# Altium PCB main - Copy.PcbDoc (part 11 of 14) (continued)
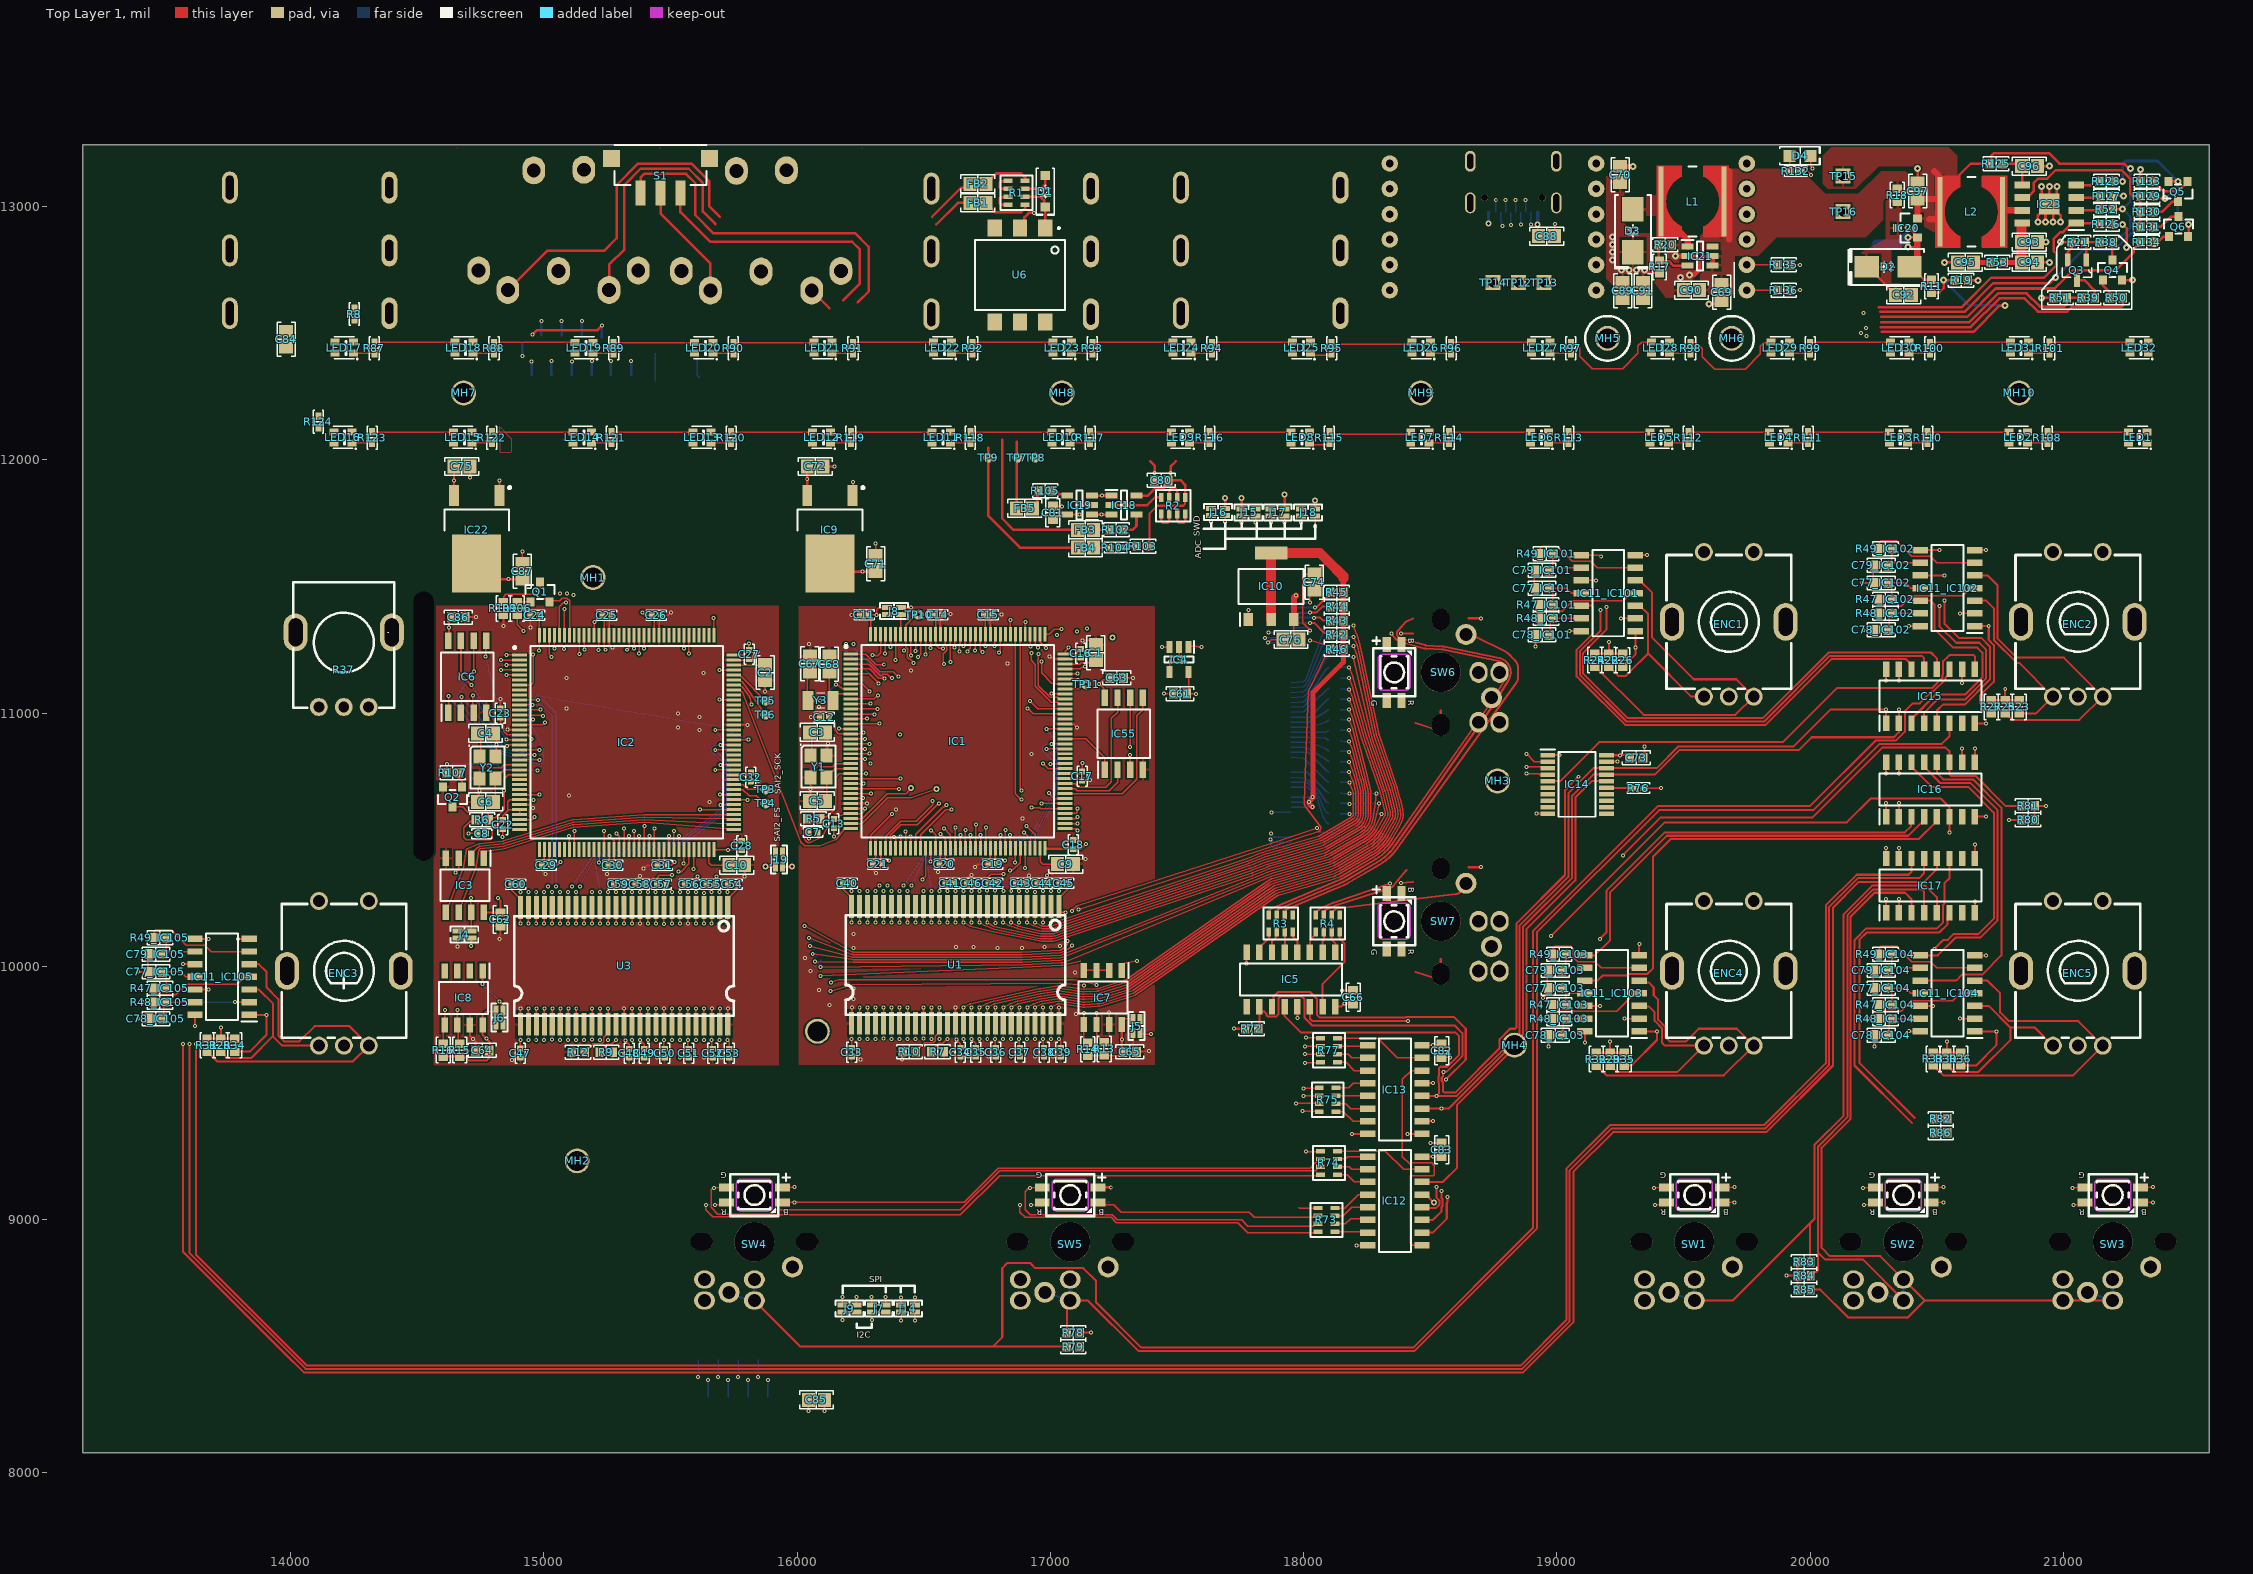
[diagram p0: Top Layer 1 view]
## Nets (pads, with @x,y where several pads share a name; then routed paths per layer and width w, separated by ;. In a path a pad name is that pad's centre, name@x,y a point inside that pad or via, vN(x,y) a via of type N, cw(c..) or ccw(c..) an arc to the next point about the centre after c; other vN are vias at no path point) (continued)
NetIC2_81: IC2.81 TP4.1 | length 147.8
  Top Layer 1 w5: IC2.81@15749.52,10697.62 15786.2,10697.62 15810.57,10673.24 15839.11,10673.24 15868.54,10643.82 TP4.1@15875,10643.82
NetIC2_82: IC2.82 TP3.1 | length 133.1
  Top Layer 1 w5: IC2.82@15749.52,10717.31 15786.51,10717.31 15805,10698.82 TP3.1@15875,10698.82
NetIC2_103: IC2.103 TP6.1 | length 193.5
  Top Layer 1 w5: IC2.103@15749.52,11130.69 15776.05,11127.29 15782.5,11123.29 cw(c15778.55,11116.91) 15784.67,11121.25 TP6.1@15875,10993.82
NetIC2_104: IC2.104 TP5.1 | length 166.3
  Top Layer 1 w5: IC2.104@15749.52,11150.38 15776.05,11146.97 15782.5,11142.97 cw(c15778.55,11136.6) 15783.91,11141.85 TP5.1@15875,11048.82
NetIC2_138: IC2.138 Q1.2 R109.1 | length 446.1
  Top Layer 1 w5: R109.1@14840,11438.82 14841.3,11440.12 14841.3,11460.12 14850,11468.82 14966.08,11468.82 14983.64,11451.26 15010.59,11451.26 Q1.2@15022.4,11439.45 15026.77,11443.82 15062.02,11443.82 15072.57,11454.36 15091.17,11454.36 15102.43,11443.1 15102.43,11309.43 IC2.138@15100.38,11307.38
NetIC3_3: IC3.3 IC3.7 J4.1 J4.3 | length 374.6
  Top Layer 1 w5: v1(14650.33,10371.26) 14663.33,10384.26 IC3.3@14663.33,10427.03 ; J4.3@14658.33,10139.04 J4.1@14713.45,10139.04 14713.33,10139.16 IC3.7@14713.33,10213.49 14712.33,10214.49 v1(14712.33,10269.26)
  Bottom 6+gnd w5: v1(14650.33,10371.26) 14711.33,10310.26 14711.33,10270.26 v1(14712.33,10269.26)
NetIC5_1: IC5.1 R4.7 | length 85
  Top Layer 1 w8: R4.7@18110.75,10135.2 18110.75,10105.48 18125,10091.23 IC5.1@18125,10056.1
NetIC5_2: IC5.2 R4.6 | length 84.8
  Top Layer 1 w8: IC5.2@18075,10056.1 18075,10099.55 18080,10104.55 R4.6@18080,10138.82
NetIC5_3: IC5.3 R4.5 | length 79.7
  Top Layer 1 w8: IC5.3@18025,10056.1 18025,10103.58 R4.5@18047.76,10126.34
NetIC5_4: IC5.4 R3.8 | length 86.6
  Top Layer 1 w8: R3.8@17957.24,10135.35 17957.24,10116.37 17975,10098.61 IC5.4@17975,10056.1
NetIC5_5: IC5.5 R3.7 | length 79.6
  Top Layer 1 w8: IC5.5@17925,10056.1 17925.75,10056.85 R3.7@17925.75,10135.35
NetIC5_6: IC5.6 R3.6 | length 71.8
  Top Layer 1 w8: IC5.6@17875,10056.1 17875,10098.61 17890.02,10113.64 R3.6@17890.02,10121.64
NetIC5_7: IC5.7 R3.5 | length 96
  Top Layer 1 w8: IC5.7@17825,10056.1 17825,10073.82 17862.76,10111.57 R3.5@17862.76,10136.5
NetIC5_14: IC5.14 IC13.9 | length 942.1
  Top Layer 1 w8: IC5.14@18025,9841.54 18025,9793.82 18035,9783.82 18411.88,9783.82 v1(18412.21,9783.49) ; v1(18410,9338.82) IC13.9@18467.28,9338.82
  Layer 3 w8: v1(18410,9338.82) 18411.08,9339.9 18411.08,9782.36 v1(18412.21,9783.49)
NetIC5_15: IC5.15 R4.8 | length 337
  Top Layer 1 w8: IC5.15@18075,9841.54 18075,9930.76 18160.89,10016.65 18160.89,10091.22 18142.24,10109.86 R4.8@18142.24,10135.2
NetIC7_1: IC7.1 J5.2 J5.4 | length 486.4
  Top Layer 1 w5: IC7.1@17282.09,9983.98 17292.38,10011.5 v1(17342.09,10022.2) ; J5.4@17354.65,9737.09 J5.2@17354.65,9792.2 ; J5.4@17360.87,9737.2 17365.87,9732.2 v1(17397.09,9732.2)
  Layer 3 w5: v1(17342.09,10022.2) 17342.09,9787.2 v1(17397.09,9732.2)
NetIC7_2: IC7.2 IC7.3 IC7.4 | length 100
  Top Layer 1 w5: IC7.4@17132.09,9983.98 IC7.2@17232.09,9983.98
NetIC8_1: IC8.1 J6.2 J6.4 | length 245.9
  Top Layer 1 w8: v1(14757.33,9931.26) 14757.33,9981.03 IC8.1@14758.33,9982.03 ; v1(14825.33,9861.26) 14838.33,9848.26 J6.2@14838.33,9825.26 J6.4@14838.33,9770.14
  Bottom 6+gnd w8: v1(14757.33,9931.26) 14757.33,9930.26 14825.33,9862.26 v1(14825.33,9861.26)
NetIC12_1: IC12.1 R74.7 | length 123.1
  Top Layer 1 w5: R74.7@18133.46,9239.57 18165.75,9239.57 18175,9248.82 IC12.1@18252.72,9248.82
NetIC12_2: IC12.2 R74.6 | length 123.1
  Top Layer 1 w5: R74.6@18133.46,9208.07 18180.75,9208.07 18190,9198.82 IC12.2@18252.72,9198.82
NetIC12_3: IC12.3 R74.5 | length 130.7
  Top Layer 1 w5: R74.5@18133.46,9176.57 18172.24,9176.57 18200,9148.82 IC12.3@18252.72,9148.82
NetIC12_4: IC12.4 R73.8 | length 151.1
  Top Layer 1 w5: R73.8@18123.46,9046.06 18162.24,9046.06 18215,9098.82 IC12.4@18252.72,9098.82
NetIC12_5: IC12.5 R73.7 | length 143.4
  Top Layer 1 w5: R73.7@18123.46,9014.57 18155.75,9014.57 18190,9048.82 IC12.5@18252.72,9048.82
NetIC12_6: IC12.6 R73.6 | length 139.9
  Top Layer 1 w5: R73.6@18123.46,8983.07 18164.25,8983.07 18185,9003.82 18247.72,9003.82 IC12.6@18252.72,8998.82
NetIC12_7: IC12.7 R73.5 | length 130.4
  Top Layer 1 w5: R73.5@18123.46,8951.57 18249.96,8951.57 IC12.7@18252.72,8948.82
NetIC12_9: IC12.9 IC13.14 | length 986.7
  Top Layer 1 w5: IC12.9@18467.28,8898.82 18430,8898.82 18420,8908.82 18420,9170.89 18422.93,9173.82 18512.07,9173.82 18515,9176.75 18515,9213.82 18505,9223.82 18425,9223.82 18422.07,9220.89 18417.93,9220.89 18390,9248.82 18390,9553.82 18425,9588.82 IC13.14@18467.28,9588.82
NetIC12_15: IC12.15 R74.8 | length 363.7
  Top Layer 1 w5: R74.8@18133.46,9271.06 18322.76,9271.06 18395,9198.82 IC12.15@18467.28,9198.82
NetIC13_1: IC13.1 R77.7 | length 121
  Top Layer 1 w5: R77.7@18133.46,9684.57 18248.46,9684.57 IC13.1@18252.72,9688.82
NetIC13_2: IC13.2 R77.6 | length 125.2
  Top Layer 1 w5: R77.6@18133.46,9653.07 18175.75,9653.07 18190,9638.82 IC13.2@18252.72,9638.82
NetIC13_3: IC13.3 R77.5 | length 132.8
  Top Layer 1 w5: R77.5@18133.46,9621.57 18167.24,9621.57 18200,9588.82 IC13.3@18252.72,9588.82
NetIC13_4: IC13.4 R75.8 | length 131.6
  Top Layer 1 w5: R75.8@18128.46,9521.06 18177.24,9521.06 18195,9538.82 IC13.4@18252.72,9538.82
NetIC13_5: IC13.5 R75.7 | length 124.6
  Top Layer 1 w5: R75.7@18128.46,9489.57 18251.97,9489.57 IC13.5@18252.72,9488.82
NetIC13_6: IC13.6 R75.6 | length 132.2
  Top Layer 1 w5: R75.6@18128.46,9458.07 18165.75,9458.07 18185,9438.82 IC13.6@18252.72,9438.82
NetIC13_7: IC13.7 R75.5 | length 139.9
  Top Layer 1 w5: R75.5@18128.46,9426.57 18157.24,9426.57 18195,9388.82 IC13.7@18252.72,9388.82
NetIC13_15: IC13.15 R77.8 | length 365.8
  Top Layer 1 w5: R77.8@18133.46,9716.06 18292.76,9716.06 18370,9638.82 IC13.15@18467.28,9638.82
NetIC14_15: IC14.15 R76.2 | length 105.2
  Top Layer 1 w8: IC14.15@19195.67,10706.02 19196.77,10704.92 19298.9,10704.92 R76.2@19300,10703.82
NetIC15_10: IC15.10 IC16.9 | length 388.4
  Top Layer 1 w8: v1(20600,11119.25) IC15.10@20600,11173.82 ; IC16.9@20650,10806.1 v1(20650,10860.67)
  Layer 3 w8: v1(20600,11119.25) 20650,11069.25 v1(20650,10860.67)
NetIC16_10: IC16.10 IC17.9 | length 509.8
  Top Layer 1 w8: IC16.10@20600,10806.1 v1(20600,10860.67) ; IC17.9@20650,10426.1 v1(20650,10480.67)
  Layer 3 w8: v1(20600,10860.67) 20650,10810.67 v1(20650,10480.67)
NetIC18_4: IC18.4 R102.1 | length 105
  Top Layer 1 w10: R102.1@17286.18,11723.82 17325,11723.82 17340,11738.82 IC18.4@17340,11783.82
NetIC19_4: IC19.4 R105.1 | length 69.9
  Top Layer 1 w10: R105.1@17005,11878.62 17007.07,11876.55 17022.63,11876.55 17035.24,11863.94 17061.26,11863.94 IC19.4@17066.57,11858.62
NetIC21_3: IC21.3 R17.1 R20.2 | length 182.3
  Top Layer 1 w10: R20.2@19402.28,12848.61 19402.28,12789.93 19407.8,12784.4 19441.75,12784.4 19459.15,12767 IC21.3@19516.38,12767
NetIC23_2: IC23.2 R52.1 | length 95.3
  Top Layer 1 w10: IC23.2@21050.79,12985 21139.02,12985 R52.1@21144.02,12990
NetIC23_3: IC23.3 R127.1 | length 95.3
  Top Layer 1 w10: IC23.3@21050.79,13035 21139.02,13035 R127.1@21144.02,13040
NetIC23_4: IC23.4 R128.2 | length 99.4
  Top Layer 1 w10: IC23.4@21050.79,13085 21109.02,13085 21124.02,13100 R128.2@21144.02,13100
NetIC23_6: IC23.6 R129.2 R130.2 R131.2 | length 729.6
  Top Layer 1 w10: IC23.6@20837.24,13035 20846.02,13043.78 20866.01,13043.78 20882.26,13060.03 20882.26,13093.25 20899.02,13110 20935.07,13110 20969.44,13144.38 21228.94,13144.38 21252.09,13121.22 21252.22,13121.22 21262.8,13110.65 21262.8,13051.22 21274.02,13040 R129.2@21304.02,13040 R130.2@21304.02,12980 R131.2@21304.02,12920
NetIC23_7: IC23.7 L2.1 | length 75.3
  Top Layer 1 w25: L2.1@20764.02,12990 20769.02,12985 IC23.7@20837.24,12985
NetJ15_2: J15.2 J15.4 PJ2.4 | length 553.7
  Top Layer 1 w5: J15.2@17755,11806.38 J15.4@17810.12,11806.38
  Top Layer 1 w10: J15.2@17755,11806.38 v3(17755,11848.82)
  Layer 3 w10: PJ2.4@17160.01,12823.03 17160.01,12689.99 17240,12610 ; v3(17755,11848.82) 17755,12058.82
NetJ16_2: J16.2 J16.4 PJ2.6 | length 277.5
  Top Layer 1 w5: J16.2@17634.88,11807.6 J16.4@17690,11807.6
  Top Layer 1 w10: J16.4@17690,11807.6 v3(17690,11848.82)
  Layer 3 w10: 17675.01,12023.82 17675.01,11863.81 v3(17690,11848.82)
NetJ17_2: J17.2 J17.4 PJ3.4 | length 1131
  Top Layer 1 w5: J17.2@17870,11806.38 J17.4@17925.12,11806.38
  Top Layer 1 w10: v3(17925,11863.82) 17925,11806.5 J17.4@17925.12,11806.38
  Layer 3 w10: v3(17925,11863.82) 18430,11863.82 18590,12023.82 ; 18080,12575 18080,12762.04 18106.31,12788.34 18120.45,12788.34 18144.93,12812.82 PJ3.4@18144.93,12826.97
NetJ18_2: J18.2 J18.4 PJ3.6 | length 825
  Top Layer 1 w5: J18.2@17990,11806.38 J18.4@18045.12,11806.38
  Top Layer 1 w10: v3(18045,11838.82) 18045,11806.5 J18.4@18045.12,11806.38
  Layer 3 w10: v3(18045,11838.82) 18550,11838.82 18654.93,11943.75 18654.93,12027.76
NetJK2_4: JK2.4 S1.2 | length 466.8
  Top Layer 1 w10: S1.2@15460.66,13053.69 15460.66,12972.59 15657.75,12775.5 JK2.4@15657.75,12668.5
NetLED1_3: LED1.3 R108.1 | length 317.8
  Top Layer 1 w6: R108.1@20939.69,12109.53 LED1.3@21257.53,12109.53
NetLED2_1: LED2.1 R108.2 | length 79.5
  Top Layer 1 w6: LED2.1@20857.14,12067.29 R108.2@20936.65,12067.29
NetLED2_3: LED2.3 R110.1 | length 317.8
  Top Layer 1 w6: R110.1@20467.25,12109.53 LED2.3@20785.09,12109.53
NetLED3_1: LED3.1 R110.2 | length 79.5
  Top Layer 1 w6: LED3.1@20384.7,12067.29 R110.2@20464.21,12067.29
NetLED3_3: LED3.3 R111.1 | length 317.8
  Top Layer 1 w6: R111.1@19994.8,12109.53 LED3.3@20312.65,12109.53
NetLED4_1: LED4.1 R111.2 | length 79.5
  Top Layer 1 w6: LED4.1@19912.26,12067.29 R111.2@19991.77,12067.29
NetLED4_3: LED4.3 R112.1 | length 317.8
  Top Layer 1 w6: R112.1@19522.36,12109.53 LED4.3@19840.21,12109.53
NetLED5_1: LED5.1 R112.2 | length 79.5
  Top Layer 1 w6: LED5.1@19439.82,12067.29 R112.2@19519.33,12067.29
NetLED5_3: LED5.3 R113.1 | length 317.8
  Top Layer 1 w6: R113.1@19049.92,12109.53 LED5.3@19367.77,12109.53
NetLED6_1: LED6.1 R113.2 | length 79.5
  Top Layer 1 w6: LED6.1@18967.37,12067.29 R113.2@19046.89,12067.29
NetLED6_3: LED6.3 R114.1 | length 317.8
  Top Layer 1 w6: R114.1@18577.48,12109.53 LED6.3@18895.32,12109.53
NetLED7_1: LED7.1 R114.2 | length 79.5
  Top Layer 1 w6: LED7.1@18494.93,12067.29 R114.2@18574.44,12067.29
NetLED7_3: LED7.3 R115.1 | length 317.8
  Top Layer 1 w6: R115.1@18108.38,12101.78 LED7.3@18426.23,12101.78
NetLED8_1: LED8.1 R115.2 | length 79.5
  Top Layer 1 w6: LED8.1@18025.84,12059.55 R115.2@18105.35,12059.55
NetLED8_3: LED8.3 R116.1 | length 317.8
  Top Layer 1 w6: R116.1@17632.6,12109.53 LED8.3@17950.44,12109.53
NetLED9_1: LED9.1 R116.2 | length 79.5
  Top Layer 1 w6: LED9.1@17550.05,12067.29 R116.2@17629.56,12067.29
NetLED9_3: LED9.3 R117.1 | length 317.8
  Top Layer 1 w6: R117.1@17160.16,12109.53 LED9.3@17478,12109.53
NetLED10_1: LED10.1 R117.2 | length 79.5
  Top Layer 1 w6: LED10.1@17077.61,12067.29 R117.2@17157.12,12067.29
NetLED10_3: LED10.3 R118.1 | length 317.8
  Top Layer 1 w6: R118.1@16687.72,12109.53 LED10.3@17005.56,12109.53
NetLED11_1: LED11.1 R118.2 | length 79.5
  Top Layer 1 w6: LED11.1@16605.17,12067.29 R118.2@16684.68,12067.29
NetLED11_3: LED11.3 R119.1 | length 317.8
  Top Layer 1 w6: R119.1@16215.28,12109.53 LED11.3@16533.12,12109.53
NetLED12_1: LED12.1 R119.2 | length 79.5
  Top Layer 1 w6: LED12.1@16132.73,12067.29 R119.2@16212.24,12067.29
NetLED12_3: LED12.3 R120.1
NetLED13_1: LED13.1 R120.2 | length 79.5
  Top Layer 1 w6: LED13.1@15662.01,12066.93 R120.2@15741.52,12066.93
NetLED13_3: LED13.3 R121.1 | length 317.8
  Top Layer 1 w6: R121.1@15276.07,12109.48 LED13.3@15593.91,12109.48
NetLED14_1: LED14.1 R121.2 | length 79.5
  Top Layer 1 w6: LED14.1@15189.57,12066.93 R121.2@15269.08,12066.93
NetLED14_3: LED14.3 R122.1 | length 317.8
  Top Layer 1 w6: R122.1@14797.95,12109.53 LED14.3@15115.8,12109.53
NetLED15_1: LED15.1 R122.2 | length 79.5
  Top Layer 1 w6: LED15.1@14715.41,12067.29 R122.2@14794.92,12067.29
NetLED15_3: LED15.3 R123.1 | length 317.8
  Top Layer 1 w6: R123.1@14325.51,12109.53 LED15.3@14643.36,12109.53
NetLED16_1: LED16.1 R123.2 | length 83.8
  Top Layer 1 w6: LED16.1@14242.97,12067.29 14322.48,12067.29 R123.2@14325.51,12064.25
NetLED16_3: LED16.3 R124.1 | length 5.1
  Top Layer 1 w6: LED16.3@14167.29,12114.23 LED16.3@14170.92,12110.6
NetLED17_1: LED17.1 R87.2 | length 83.8
  Top Layer 1 w6: LED17.1@14248.16,12421.34 14327.67,12421.34 R87.2@14330.71,12418.31
NetLED17_3: LED17.3 R8.1
NetLED18_1: LED18.1 R88.2 | length 79.5
  Top Layer 1 w6: LED18.1@14720.6,12421.34 R88.2@14800.11,12421.34
NetLED18_3: LED18.3 R87.1 | length 317.8
  Top Layer 1 w6: R87.1@14330.71,12463.58 LED18.3@14648.55,12463.58
NetLED19_1: LED19.1 R89.2 | length 79.5
  Top Layer 1 w6: LED19.1@15194.76,12420.98 R89.2@15274.27,12420.98
NetLED19_3: LED19.3 R88.1 | length 317.8
  Top Layer 1 w6: R88.1@14803.15,12463.58 LED19.3@15120.99,12463.58
NetLED20_1: LED20.1 R90.2 | length 79.5
  Top Layer 1 w6: LED20.1@15667.2,12420.98 R90.2@15746.72,12420.98
NetLED20_3: LED20.3 R89.1 | length 317.8
  Top Layer 1 w6: R89.1@15277.31,12463.22 LED20.3@15595.15,12463.22
NetLED21_1: LED21.1 R91.2 | length 79.5
  Top Layer 1 w6: LED21.1@16137.92,12421.34 R91.2@16217.44,12421.34
NetLED21_3: LED21.3 R90.1 | length 317.8
  Top Layer 1 w6: R90.1@15749.75,12463.22 LED21.3@16067.6,12463.22
NetLED22_1: LED22.1 R92.2 | length 79.5
  Top Layer 1 w6: LED22.1@16610.37,12421.34 R92.2@16689.88,12421.34
NetLED22_3: LED22.3 R91.1 | length 317.8
  Top Layer 1 w6: R91.1@16220.47,12463.58 LED22.3@16538.32,12463.58
NetLED23_1: LED23.1 R93.2 | length 79.5
  Top Layer 1 w6: LED23.1@17082.81,12421.34 R93.2@17162.32,12421.34
NetLED23_3: LED23.3 R92.1 | length 317.8
  Top Layer 1 w6: R92.1@16692.91,12463.58 LED23.3@17010.76,12463.58
NetLED24_1: LED24.1 R94.2 | length 79.5
  Top Layer 1 w6: LED24.1@17555.25,12421.34 R94.2@17634.76,12421.34
NetLED24_3: LED24.3 R93.1 | length 317.8
  Top Layer 1 w6: R93.1@17165.35,12463.58 LED24.3@17483.2,12463.58
NetLED25_1: LED25.1 R95.2 | length 79.5
  Top Layer 1 w6: LED25.1@18031.03,12413.6 R95.2@18110.54,12413.6
NetLED25_3: LED25.3 R94.1 | length 317.8
  Top Layer 1 w6: R94.1@17637.8,12463.58 LED25.3@17955.64,12463.58
NetLED26_1: LED26.1 R96.2 | length 79.5
  Top Layer 1 w6: LED26.1@18500.13,12421.34 R96.2@18579.64,12421.34
NetLED26_3: LED26.3 R95.1 | length 317.8
  Top Layer 1 w6: R95.1@18113.58,12455.84 LED26.3@18431.42,12455.84
NetLED27_1: LED27.1 R97.2 | length 79.5
  Top Layer 1 w6: LED27.1@18972.57,12421.34 R97.2@19052.08,12421.34
NetLED27_3: LED27.3 R96.1 | length 317.8
  Top Layer 1 w6: R96.1@18582.68,12463.58 LED27.3@18900.52,12463.58
NetLED28_1: LED28.1 R98.2 | length 79.5
  Top Layer 1 w6: LED28.1@19445.01,12421.34 R98.2@19524.52,12421.34
NetLED28_3: LED28.3 R97.1 | length 439.1
  Top Layer 1 w5: R97.1@19055.12,12463.23 19058.35,12460 19070,12460 19090,12440 19090,12410 19140,12360 19260,12360 19320,12420 19320,12450 19334.65,12464.65 LED28.3@19372.96,12464.65
NetLED29_1: LED29.1 R99.2 | length 79.5
  Top Layer 1 w6: LED29.1@19917.45,12421.34 R99.2@19996.96,12421.34
NetLED29_3: LED29.3 R98.1 | length 440
  Top Layer 1 w5: R98.1@19538.7,12464.19 19547.11,12464.19 19573.27,12438.03 19573.27,12408.03 19623.27,12358.03 19743.27,12358.03 19803.27,12418.03 19803.27,12448.03 19817.92,12462.69 LED29.3@19856.23,12462.69
NetLED30_1: LED30.1 R100.2 | length 79.5
  Top Layer 1 w6: LED30.1@20389.89,12421.34 R100.2@20469.4,12421.34
NetLED30_3: LED30.3 R99.1 | length 317.8
  Top Layer 1 w6: R99.1@20000,12463.58 LED30.3@20317.84,12463.58
NetLED31_1: LED31.1 R101.2 | length 79.5
  Top Layer 1 w6: LED31.1@20862.33,12421.34 R101.2@20941.84,12421.34
NetLED31_3: LED31.3 R100.1 | length 317.8
  Top Layer 1 w6: R100.1@20472.44,12463.58 LED31.3@20790.28,12463.58
NetLED32_3: LED32.3 R101.1 | length 317.8
  Top Layer 1 w6: R101.1@20944.88,12463.58 LED32.3@21262.72,12463.58
NetQ1_1: Q1.1 R106.2 | length 52.9
  Top Layer 1 w5: R106.2@14895,11438.82 14946.97,11438.82 Q1.1@14947.6,11439.45
NetQ2_1: Q2.1 R107.2 | length 66.7
  Top Layer 1 w5: R107.2@14662.64,10768.82 14662.64,10746.18 14677.4,10731.42 Q2.1@14677.4,10708.19
NetQ3_1: Q3.1 R21.1 R38.2 | length 132.5
  Top Layer 1 w10: Q3.1@21089.39,12789.37 21089.39,12853.37 R21.1@21083.39,12859.37 R38.2@21143.39,12859.37
NetQ3_3: Q3.3 R39.2 | length 116.6
  Top Layer 1 w10: Q3.3@21053.39,12709.37 21083.39,12709.37 21123.39,12669.37 R39.2@21123.39,12639.37
NetQ4_1: Q4.1 R50.1 | length 82
  Top Layer 1 w10: Q4.1@21155.98,12710 21155.98,12688.55 21183.39,12661.15 R50.1@21183.39,12639.37
NetQ4_3: Q4.3 R38.1 | length 71.1
  Top Layer 1 w10: Q4.3@21193.39,12788.74 21193.39,12858.19 R38.1@21194.57,12859.37
NetQ5_1: Q5.1 R133.2 | length 170.3
  Top Layer 1 w10: R133.2@21355.2,13100 21355.2,13098.03 21366.93,13086.3 21368.67,13086.3 21394,13060.97 21453.64,13060.97 21478.7,13086.02 21480.67,13086.02 21491.42,13096.77 Q5.1@21491.42,13098.74
NetQ5_3: Q5.3 R130.1 | length 115.4
  Top Layer 1 w10: R130.1@21355.2,12980 21390.34,12980 21430.34,13020 Q5.3@21454.02,13020
NetQ6_1: Q6.1 R134.2 | length 71.4
  Top Layer 1 w10: R134.2@21354.02,12860 21374.02,12860 21395.28,12881.26 Q6.1@21416.61,12881.26
NetQ6_3: Q6.3 R131.1 | length 115.4
  Top Layer 1 w10: R131.1@21355.2,12920 21383.08,12920 21423.08,12960 Q6.3@21454.02,12960
NetR1_1: R1.1 R1.2 | length 89.9
  Top Layer 1 w10: R1.2@16833.07,13070 16806.07,13070 16800.21,13075.86 16800.21,13094.89 16806.07,13100.75 16832.32,13100.75 R1.1@16833.07,13101.5
NetR1_3: R1.3 R1.4 | length 89.9
  Top Layer 1 w10: R1.4@16833.07,13007.01 16806.07,13007.01 16800.21,13012.87 16800.21,13031.9 16806.07,13037.76 16832.32,13037.76 R1.3@16833.07,13038.5
NetR2_2: R2.2 R2.3 | length 89.9
  Top Layer 1 w10: R2.3@17469.25,11852.28 17469.25,11879.29 17475.11,11885.15 17494.14,11885.15 17500,11879.29 17500,11853.03 R2.2@17500.75,11852.28
NetR2_5: R2.5 R2.6 | length 89.9
  Top Layer 1 w10: R2.5@17437.76,11785.35 17438.5,11784.61 17438.5,11758.35 17444.36,11752.49 17463.39,11752.49 17469.25,11758.35 R2.6@17469.25,11785.35
NetR2_7: R2.7 R2.8 | length 89.9
  Top Layer 1 w10: R2.7@17500.75,11785.35 17501.5,11784.61 17501.5,11758.35 17507.35,11752.49 17526.39,11752.49 17532.24,11758.35 R2.8@17532.24,11785.35
NetR103_2: R103.2 R104.1 | length 61.8
  Top Layer 1 w10: R104.1@17280.28,11653.82 17335,11653.82 R103.2@17340,11658.82
O\0\_IC101: IC11_IC101.2 R48_IC101.1 | length 466.1
  Top Layer 1 w5: v4(18887.72,11373.82) R48_IC101.1@18931.53,11373.82 ; v4(19252.72,11373.82) IC11_IC101.2@19310,11373.82
  Layer 3 w5: v4(18887.72,11373.82) v4(19252.72,11373.82)
O\0\_IC102: IC11_IC102.2 R48_IC102.1 | length 466.1
  Top Layer 1 w5: v4(20227.28,11393.82) R48_IC102.1@20271.1,11393.82 ; v4(20592.28,11393.82) IC11_IC102.2@20649.57,11393.82
  Layer 3 w5: v4(20227.28,11393.82) v4(20592.28,11393.82)
O\0\_IC103: IC11_IC103.2 R48_IC103.1 | length 428.8
  Top Layer 1 w5: v4(18940,9793.82) R48_IC103.1@18983.82,9793.82 ; v4(19267.72,9793.82) IC11_IC103.2@19325,9793.82
  Layer 3 w5: v4(18940,9793.82) v4(19267.72,9793.82)
O\0\_IC104: IC11_IC104.2 R48_IC104.1 | length 466.1
  Top Layer 1 w5: v4(20227.28,9793.82) R48_IC104.1@20271.1,9793.82 ; v4(20592.28,9793.82) IC11_IC104.2@20649.57,9793.82
  Layer 3 w5: v4(20227.28,9793.82) v4(20592.28,9793.82)
O\0\_IC105: IC11_IC105.2 R48_IC105.1 | length 466.1
  Top Layer 1 w5: v4(13415,9858.82) R48_IC105.1@13458.82,9858.82 ; v4(13780,9858.82) IC11_IC105.2@13837.28,9858.82
  Bottom 6+gnd w5: v4(13415,9858.82) v4(13780,9858.82)
O\1\_IC101: IC11_IC101.4 R47_IC101.1 | length 420
  Top Layer 1 w5: R47_IC101.1@18931.53,11428.82 18931.53,11426.85 18945.77,11412.62 18946.52,11412.62 18956.52,11402.62 19020.32,11402.62 19061.81,11444.11 19262.58,11444.11 19292.28,11473.82 IC11_IC101.4@19310,11473.82
O\1\_IC102: IC11_IC102.4 R47_IC102.1 | length 420
  Top Layer 1 w5: R47_IC102.1@20271.1,11448.82 20271.1,11446.85 20285.33,11432.62 20286.09,11432.62 20296.09,11422.62 20359.89,11422.62 20401.38,11464.11 20602.15,11464.11 20631.85,11493.82 IC11_IC102.4@20649.57,11493.82
O\1\_IC103: IC11_IC103.4 R47_IC103.1 | length 382.7
  Top Layer 1 w5: R47_IC103.1@18983.82,9848.82 18983.82,9846.85 18998.05,9832.62 18998.8,9832.62 19008.8,9822.62 19236.08,9822.62 19307.28,9893.82 IC11_IC103.4@19325,9893.82
O\1\_IC104: IC11_IC104.4 R47_IC104.1 | length 420
  Top Layer 1 w5: R47_IC104.1@20271.1,9848.82 20271.1,9846.85 20285.33,9832.62 20286.09,9832.62 20296.09,9822.62 20359.89,9822.62 20401.38,9864.11 20562.58,9864.11 20592.28,9893.82 IC11_IC104.4@20649.57,9893.82
O\1\_IC105: IC11_IC105.4 R47_IC105.1 | length 420
  Top Layer 1 w5: R47_IC105.1@13458.82,9913.82 13458.82,9911.85 13473.05,9897.62 13473.8,9897.62 13483.8,9887.62 13547.6,9887.62 13589.1,9929.11 13789.86,9929.11 13819.57,9958.82 IC11_IC105.4@13837.28,9958.82
O\2\_IC101: IC11_IC101.6 R49_IC101.1 | length 439.3
  Top Layer 1 w5: R49_IC101.1@18931.53,11628.82 18933.56,11630.84 18933.56,11652.09 18941.15,11659.68 19000.28,11659.68 19061.14,11598.82 19134.48,11598.82 19159.48,11573.82 IC11_IC101.6@19310,11573.82
O\2\_IC102: IC11_IC102.6 R49_IC102.1 | length 439.3
  Top Layer 1 w5: R49_IC102.1@20271.1,11648.82 20273.13,11650.84 20273.13,11672.09 20280.72,11679.68 20339.85,11679.68 20400.71,11618.82 20474.05,11618.82 20499.05,11593.82 IC11_IC102.6@20649.57,11593.82
O\2\_IC103: IC11_IC103.6 R49_IC103.1 | length 420.7
  Top Layer 1 w5: R49_IC103.1@18983.82,10048.82 18985.84,10050.84 18985.84,10072.09 18993.43,10079.68 19052.56,10079.68 19065,10067.25 19065,10036.75 19070.91,10030.84 19070.91,10029.43 19081.52,10018.82 19149.48,10018.82 19174.48,9993.82 IC11_IC103.6@19325,9993.82
O\2\_IC104: IC11_IC104.6 R49_IC104.1 | length 439.3
  Top Layer 1 w5: R49_IC104.1@20271.1,10048.82 20273.13,10050.84 20273.13,10072.09 20280.72,10079.68 20339.85,10079.68 20400.71,10018.82 20474.05,10018.82 20499.05,9993.82 IC11_IC104.6@20649.57,9993.82
O\2\_IC105: IC11_IC105.6 R49_IC105.1 | length 439.3
  Top Layer 1 w5: R49_IC105.1@13458.82,10113.82 13460.84,10115.84 13460.84,10137.09 13468.43,10144.68 13527.56,10144.68 13588.43,10083.82 13661.76,10083.82 13686.76,10058.82 IC11_IC105.6@13837.28,10058.82
SAI1_FS: IC2.3 J1.5 | length 1597.6
  Top Layer 1 w5: v1(14853.33,11190.89) 14853.9,11190.32 14903.43,11190.32 IC2.3@14904,11189.75
  Layer 3 w5: 14390.11,12361.99 14466.54,12438.42 15043.42,12438.42 15070,12465 v1(15070,12547.87) ; v1(14853.33,11190.89) 14853.33,11193.19 15010.11,11349.97 15010.11,11810.81
  Bottom 6+gnd w10: J1.5@15070,12491.73 15069.96,12491.77 15069.96,12547.83 v1(15070,12547.87)
SAI1_MCLK: IC2.1 J1.9 | length 1683
  Top Layer 1 w5: v1(14853.33,11230.26) 14853.9,11229.69 14903.43,11229.69 IC2.1@14904,11229.12
  Top Layer 1 w10: v1(14954.69,12494.29) 14972.94,12512.54 15212.54,12512.54 v1(15230,12530)
  Layer 3 w5: 14370.11,12370.27 14458.26,12458.42 14933.42,12458.42 14954.69,12479.69 v1(14954.69,12494.29) ; v1(14853.33,11230.26) 14918.93,11295.85 14926.57,11295.85 14990.11,11359.39 14990.11,11819.09
  Bottom 6+gnd w10: J1.9@15227.4,12483.82 15228.9,12485.32 15228.9,12528.9 v1(15230,12530)
SAI1_SCK: IC2.4 J1.7 | length 1734.4
  Top Layer 1 w5: v1(14831.52,11170.65) 14831.81,11170.35 14903.71,11170.35 IC2.4@14904,11170.06
  Layer 3 w5: 14400.11,12357.84 14470.68,12428.42 15113.42,12428.42 15150,12465 v1(15150,12547.87) ; v1(14831.52,11170.65) 14833.58,11172.71 14856.89,11172.71 14933.48,11249.29 14933.48,11259.2 15020.11,11345.83 15020.11,11806.66
  Bottom 6+gnd w10: J1.7@15150,12491.73 15149.33,12492.4 15149.33,12547.2 v1(15150,12547.87)
SAI1_SD_A: IC2.5 J1.1 | length 1363.8
  Top Layer 1 w5: v1(14853.33,11151.52) 14853.9,11150.95 14903.43,11150.95 IC2.5@14904,11150.38
  Layer 3 w5: 14410.11,12353.7 14474.83,12418.42 14906.58,12418.42 v1(14915,12410) ; v1(14853.33,11151.52) 14943.48,11241.66 14943.48,11255.05 15030.11,11341.69 15030.11,11802.52
  Bottom 6+gnd w10: v1(14915,12410) J1.1@14915,12463.27
SAI1_SD_B: IC2.2 J1.3 | length 1556.9
  Top Layer 1 w5: v1(14831.52,11210.02) 14831.81,11209.72 14903.71,11209.72 IC2.2@14904,11209.43
  Layer 3 w5: 14380.11,12366.13 14462.4,12448.42 14983.42,12448.42 14990,12455 14990,12547.79 v1(14989.92,12547.87) ; v1(14831.52,11210.02) 14833.58,11212.08 14856.93,11212.08 15000.11,11355.25 15000.11,11814.95
  Bottom 6+gnd w10: v1(14989.92,12547.87) 14990,12547.79 J1.3@14990,12491.73
SAI2_SD_A: IC2.80 J1.2 | length 2509.7
  Top Layer 1 w5: v1(15695,10678.82) 15695.88,10677.94 IC2.80@15749.52,10677.94
  Unused w5: v1(15091.13,11471.69) 15071.76,11457.52 ccw(c15086.75,11437.04) 15068.83,11455.02 15047.47,11433.65 ccw(c15051.03,11430.14) 15046.03,11430.14 15046.03,11294.84 15025.31,11274.13 15025.31,11248.02 15010,11232.7 15010,11174.51 15041.02,11143.49 15041.02,10632.8 15060,10613.82 15575,10613.82 15640,10678.82 v1(15695,10678.82)
  Layer 3 w5: 14455,12315.86 14502.07,12362.93 14922.93,12362.93 14948.73,12388.73 v1(14951.35,12388.73) ; 15075,11764.68 15075,11488.82 15091.13,11472.69 v1(15091.13,11471.69)
  Bottom 6+gnd w10: v1(14951.35,12388.73) 14951.35,12336.64 J1.2@14951.81,12336.18
SAI2_SD_B: IC2.34 J1.4 | length 1992.9
  Top Layer 1 w5: IC2.34@14904,10579.51 14953.39,10579.51 14963.7,10589.82 v1(14963.7,10590.1)
  Unused w5: v1(14963.7,10590.1) 15031.02,10657.42 15031.02,11122.8 14995,11158.82 14995,11231.84 15015.31,11252.16 15015.31,11281.21 15036.03,11301.93 15036.03,11436.78 cw(c15041.03,11436.78) 15037.19,11440 v1(15063.8,11471.72)
  Layer 3 w5: 14445,12320 14497.93,12372.93 14913.81,12372.93 14944.98,12404.1 15012.99,12404.1 15027.09,12390 v1(15030,12390) ; v1(15063.8,11471.72) 15065,11472.92 15065,11768.82
  Bottom 6+gnd w10: v1(15030,12390) 15030,12336.73 J1.4@15030.55,12336.18
SD_CK: H4.5 IC1.113 | length 2676
  Top Layer 1 w5: IC1.113@16900.75,11311.57 16901.42,11312.24 16901.42,11359.67 v1(16902.09,11360.34)
  Unused w5: v1(16902.09,11360.34) 16974.99,11360.34 17079.14,11464.5 17160.99,11464.5 17660.13,11963.64 18054.14,11963.64 18230,12139.5 18230,12960 H4.5@18340,13070
SD_CMD: H4.6 IC1.116 | length 2835.8
  Top Layer 1 w5: IC1.116@16841.69,11311.57 16841.89,11311.77 16841.89,11366.99 v1(16842.11,11367.21)
  Unused w5: v1(16842.11,11367.21) 16844.17,11369.27 16849.68,11369.27 16850.41,11370 16890,11370 16895.72,11375.71 16908.45,11375.71 16913.83,11370.34 16970.34,11370.34 17079.44,11479.44 17161.79,11479.44 17655.99,11973.64 18050,11973.64 18220,12143.64 18220,13050 H4.6@18340,13170
SD_D0: H4.1 IC1.98 | length 2640.3
  Top Layer 1 w5: v1(16925.27,11236.65) 16924.1,11235.49 16924.1,11208.83 16941.02,11191.91 16941.02,11105.83 17004.11,11042.74 17028.35,11042.74 17034.63,11036.46 IC1.98@17057.76,11036.46
  Unused w5: v1(16925.27,11236.65) 16928.23,11236.65 16946.67,11218.22 16949.3,11218.22 16952.18,11215.35 16954.79,11215.35 16958.63,11219.19 16960.37,11219.19 16983.01,11241.83 16988.45,11241.83 16997.46,11250.84 16997.46,11263.57 16985.97,11275.06 16985.97,11310.11 17087.93,11412.07 17167.35,11412.07 17677.35,11922.07 18050,11922.07 18051.57,11923.64 18070.71,11923.64 18271.57,12124.5 18271.57,12601.57 H4.1@18340,12670
SD_D1: H4.2 IC1.99 | length 2641.6
  Top Layer 1 w5: v1(16953.03,11233.59) 16952.18,11232.74 16952.18,11212.74 16949.63,11210.19 16949.63,11197.45 16952.18,11194.9 16952.18,11108.81 16998.57,11062.42 17028.35,11062.42 17034.63,11056.14 IC1.99@17057.76,11056.14
  Unused w5: v1(16953.03,11233.59) 16966.71,11247.27 16966.71,11305 17092.5,11430.78 17169.7,11430.78 17672.56,11933.64 18066.57,11933.64 18260,12127.07 18260,12690 H4.2@18340,12770
SD_D2: H4.3 IC1.111 | length 2518.9
  Top Layer 1 w5: IC1.111@16940.12,11311.57 16940.12,11270.42 v1(16951.25,11259.28)
  Unused w5: v1(16951.25,11259.28) 16951.25,11303.68 17088.79,11441.21 17165.99,11441.21 17668.42,11943.64 18062.43,11943.64 18250,12131.21 18250,12780 H4.3@18340,12870
SD_D3: H4.4 IC1.112 | length 2623.2
  Top Layer 1 w5: IC1.112@16920.43,11311.57 16921.26,11310.75 16921.26,11263.03 v1(16922.09,11262.2)
  Unused w5: v1(16922.09,11262.2) 16922.09,11292.09 17083.64,11453.64 17164.27,11453.64 17664.28,11953.64 18058.28,11953.64 18240,12135.36 18240,12870 H4.4@18340,12970
SD_DETECT: H1.1 IC1.102 | length 2905.6
  Top Layer 1 w5: v1(16965,11203.82) 16965,11158.82 17005,11118.82 17007.91,11118.82 17010.53,11116.2 17056.75,11116.2 IC1.102@17057.76,11115.2
  Unused w5: v1(16965,11203.82) 16975,11213.82 16986.35,11213.82 16991.01,11209.15 17003.75,11209.15 17012.76,11218.16 17012.76,11230.89 17010,11233.65 17010,11320 17090,11400 17172.35,11400 17682.35,11910 18071.21,11910 18283.64,12122.43 18283.64,12500 18669.39,12885.75 18669.39,12945.89